# Altium PCB ld_harness.PcbDoc (part 1 of 3) (continued)
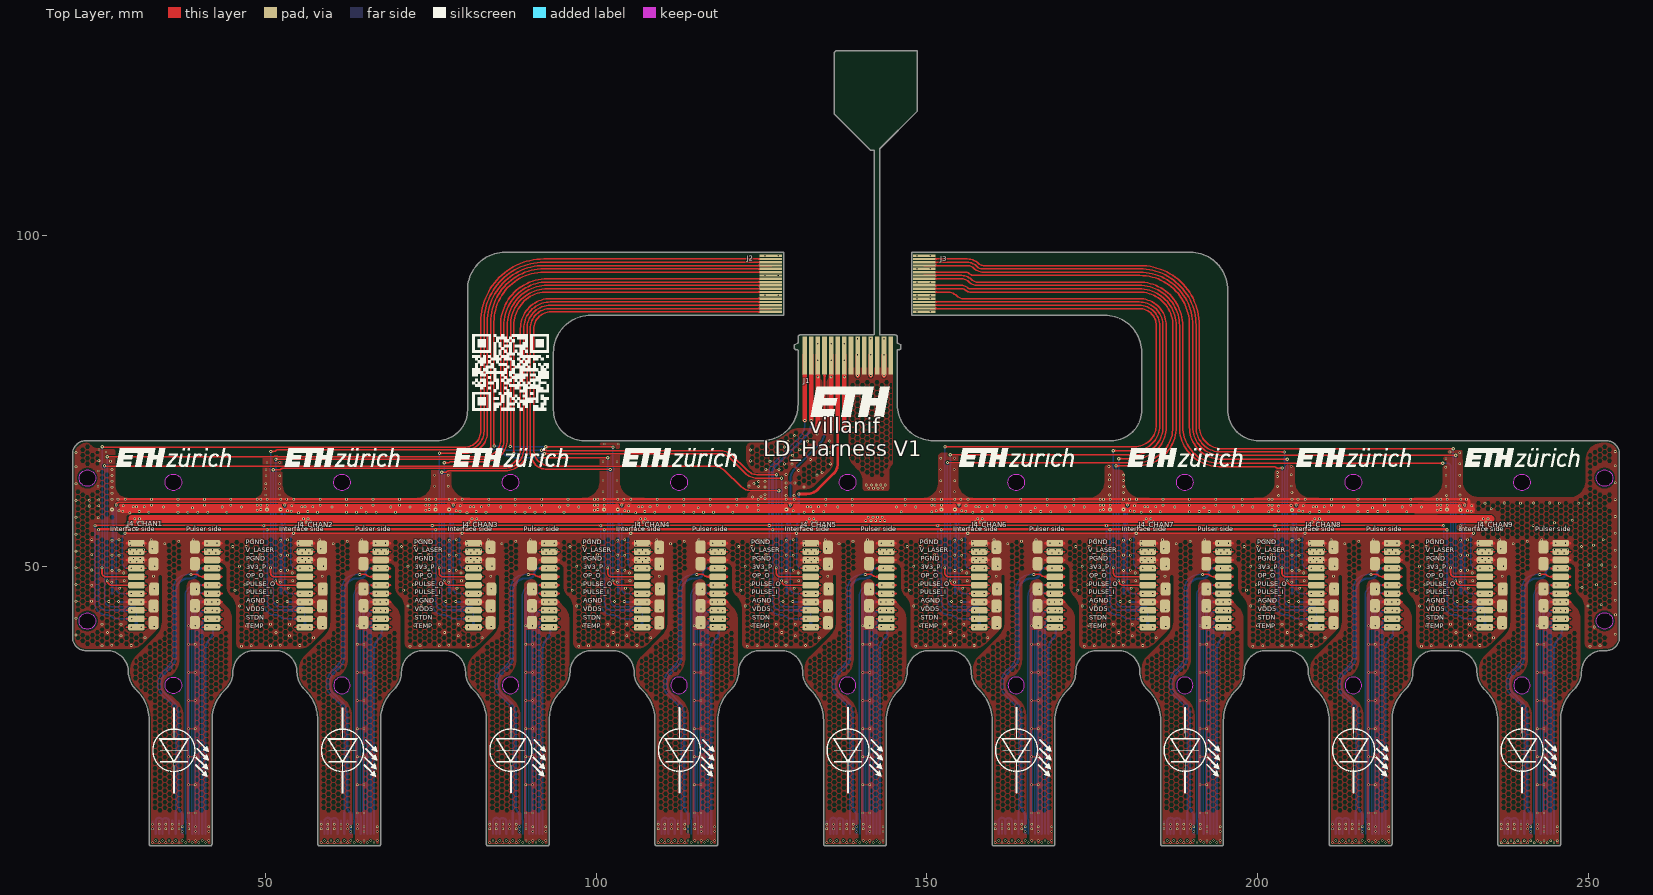
[diagram p0: Top Layer view]
## Nets (pads, with @x,y where several pads share a name; then routed paths per layer and width w, separated by ;. In a path a pad name is that pad's centre, name@x,y a point inside that pad or via, vN(x,y) a via of type N, cw(c..) or ccw(c..) an arc to the next point about the centre after c; other vN are vias at no path point)
3V3_P: J1.6 J4_CHAN1.4_G J4_CHAN2.4_G J4_CHAN3.4_G J4_CHAN4.4_G J4_CHAN5.4_G J4_CHAN6.4_G J4_CHAN7.4_G J4_CHAN8.4_G J4_CHAN9.4_G | length 307
  Top Layer w0.3: v4@28.65,55 v4(28.675,55.025) 28.7,55 54.15,55 v4(54.175,55.025) 54.2,55 79.65,55 v4(79.675,55.025) 79.7,55 105.15,55 v4(105.175,55.025) 105.2,55 130.65,55 ; 130.7,55 156.15,55 v4(156.175,55.025) 156.2,55 181.65,55 v4(181.675,55.025) 181.7,55 207.15,55 v4(207.175,55.025) 207.2,55 232.65,55 v4(232.675,55.025) v4@232.7,55
  Top Layer w0.4: v3(130.625,60.95) 131.748,60.95 ccw(c131.748,63.49) 133.544,61.694 135.875,64.025 ccw(c134.366,65.534) 136.5,65.534 136.5,70.675
  Top Layer w0.7: 136.5,70.675 J1.6@136.5,82
  Bottom Layer w0.25: v4(28.675,55.025) 28.647,54.997 ccw(c29.545,54.099) 28.275,54.099 28.275,50.546 ccw(c29.128,50.546) 29.075,49.695 ; 29.075,49.695 v2(29.65,49.695) ; v4(54.175,55.025) 54.147,54.997 ccw(c55.045,54.099) 53.775,54.099 53.775,50.546 ccw(c54.628,50.546) 54.575,49.695 ; 54.575,49.695 v2(55.15,49.695) ; v4(79.675,55.025) 79.647,54.997 ccw(c80.545,54.099) 79.275,54.099 79.275,50.546 ccw(c80.128,50.546) 80.075,49.695 ; 80.075,49.695 v2(80.65,49.695) ; v4(105.175,55.025) 105.147,54.997 ccw(c106.045,54.099) 104.775,54.099 104.775,50.546 ccw(c105.628,50.546) 105.575,49.695 ; 105.575,49.695 v2(106.15,49.695) ; v4(130.275,55.025) 130.275,56.127 cw(c130.873,56.127) 130.45,56.55 ccw(c130.028,56.972) 130.625,56.972 130.625,57.525 ; v4@130.359,54.942 130.275,54.857 130.275,52.878 130.275,50.546 ccw(c131.128,50.546) 131.075,49.695 ; 131.075,49.695 v2(131.65,49.695) ; v4(156.175,55.025) 156.147,54.997 ccw(c157.045,54.099) 155.775,54.099 155.775,50.546 ccw(c156.628,50.546) 156.575,49.695 ; 156.575,49.695 v2(157.15,49.695) ; v4(181.675,55.025) 181.647,54.997 ccw(c182.545,54.099) 181.275,54.099 181.275,50.546 ccw(c182.128,50.546) 182.075,49.695 ; 182.075,49.695 v2(182.65,49.695) ; v4(207.175,55.025) 207.147,54.997 ccw(c208.045,54.099) 206.775,54.099 206.775,50.546 ccw(c207.628,50.546) 207.575,49.695 ; 207.575,49.695 v2(208.15,49.695) ; v4(232.675,55.025) 232.647,54.997 ccw(c233.545,54.099) 232.275,54.099 232.275,50.546 ccw(c233.128,50.546) 233.075,49.695 ; 233.075,49.695 v2(233.65,49.695)
  Bottom Layer w0.4: 130.625,57.525 v3(130.625,60.95)
  Bottom Layer w0.5: v2@29.6,49.7 v2@31.2,49.7 ; v2@55.1,49.7 v2@56.7,49.7 ; v2@80.6,49.7 v2@82.2,49.7 ; v2@106.1,49.7 v2@107.7,49.7 ; v2@131.6,49.7 v2@133.15,49.7 ; v2@157.1,49.7 v2@158.7,49.7 ; v2@182.6,49.7 v2@184.2,49.7 ; v2@208.1,49.7 v2@209.7,49.7 ; v2@233.6,49.7 v2@235.2,49.7
  other v2: 31.15,49.705 56.65,49.705 82.15,49.705 107.65,49.705 133.15,49.705 158.65,49.705 184.15,49.705 209.65,49.705 235.15,49.705
_3V3_CHAN1_P: J4_CHAN1.4 J5_CHAN1.10 | length 47
  Bottom Layer w0.35: J5_CHAN1.10@37.35,9.5 37.35,12.271 ccw(c36.435,12.271) 37.082,12.918 cw(c37.801,13.637) 36.784,13.637 36.784,27.526 ccw(c33.953,27.526) 35.955,29.528 34.572,30.911 cw(c35.591,31.929) 34.15,31.929 34.15,32.278 cw(c36.436,32.278) 34.82,33.895 35.705,34.78 ccw(c34.089,36.397) 36.375,36.397 36.375,46.275 cw(c38.275,46.275) 38.275,48.175 38.725,48.175 ccw(c38.725,49.075) 39.625,49.075 cw(c40.25,49.075) 40.25,49.7 v1(41.4,49.7)
  Bottom Layer w0.5: v1(41.4,49.7) v1(42.85,49.7)
  other v2: 37.35,8.525 37.35,9.9 37.35,10.6
_3V3_CHAN2_P: J4_CHAN2.4 J5_CHAN2.10 | length 47
  Bottom Layer w0.35: J5_CHAN2.10@62.85,9.5 62.85,12.271 ccw(c61.935,12.271) 62.582,12.918 cw(c63.301,13.637) 62.284,13.637 62.284,27.526 ccw(c59.453,27.526) 61.455,29.528 60.072,30.911 cw(c61.091,31.929) 59.65,31.929 59.65,32.278 cw(c61.936,32.278) 60.32,33.895 61.205,34.78 ccw(c59.589,36.397) 61.875,36.397 61.875,46.275 cw(c63.775,46.275) 63.775,48.175 64.225,48.175 ccw(c64.225,49.075) 65.125,49.075 cw(c65.75,49.075) 65.75,49.7 v1(66.9,49.7)
  Bottom Layer w0.5: v1(66.9,49.7) v1(68.35,49.7)
  other v2: 62.85,8.525 62.85,9.9 62.85,10.6
_3V3_CHAN3_P: J4_CHAN3.4 J5_CHAN3.10 | length 47
  Bottom Layer w0.35: J5_CHAN3.10@88.35,9.5 88.35,12.271 ccw(c87.435,12.271) 88.082,12.918 cw(c88.801,13.637) 87.784,13.637 87.784,27.526 ccw(c84.953,27.526) 86.955,29.528 85.572,30.911 cw(c86.591,31.929) 85.15,31.929 85.15,32.278 cw(c87.436,32.278) 85.82,33.895 86.705,34.78 ccw(c85.089,36.397) 87.375,36.397 87.375,46.275 cw(c89.275,46.275) 89.275,48.175 89.725,48.175 ccw(c89.725,49.075) 90.625,49.075 cw(c91.25,49.075) 91.25,49.7 v1(92.4,49.7)
  Bottom Layer w0.5: v1(92.4,49.7) v1(93.85,49.7)
  other v2: 88.35,8.525 88.35,9.9 88.35,10.6
_3V3_CHAN4_P: J4_CHAN4.4 J5_CHAN4.10 | length 47
  Bottom Layer w0.35: J5_CHAN4.10@113.85,9.5 113.85,12.271 ccw(c112.935,12.271) 113.582,12.918 cw(c114.301,13.637) 113.284,13.637 113.284,27.526 ccw(c110.453,27.526) 112.455,29.528 111.072,30.911 cw(c112.091,31.929) 110.65,31.929 110.65,32.278 cw(c112.936,32.278) 111.32,33.895 112.205,34.78 ccw(c110.589,36.397) 112.875,36.397 112.875,46.275 cw(c114.775,46.275) 114.775,48.175 115.225,48.175 ccw(c115.225,49.075) 116.125,49.075 cw(c116.75,49.075) 116.75,49.7 v1(117.9,49.7)
  Bottom Layer w0.5: v1(117.9,49.7) v1(119.35,49.7)
  other v2: 113.85,8.525 113.85,9.9 113.85,10.6
_3V3_CHAN5_P: J4_CHAN5.4 J5_CHAN5.10 | length 47
  Bottom Layer w0.35: 137.955,29.528 cw(c135.953,27.526) 138.784,27.526 138.784,13.637 ccw(c139.801,13.637) 139.082,12.918 cw(c138.435,12.271) 139.35,12.271 J5_CHAN5.10@139.35,9.5 ; 137.955,29.528 136.572,30.911 cw(c137.591,31.929) 136.15,31.929 136.15,32.278 cw(c138.436,32.278) 136.82,33.895 137.705,34.78 ccw(c136.089,36.397) 138.375,36.397 138.375,46.275 cw(c140.275,46.275) 140.275,48.175 140.725,48.175 ccw(c140.725,49.075) 141.625,49.075 cw(c142.25,49.075) 142.25,49.7 v1(143.4,49.7)
  Bottom Layer w0.5: v1(143.4,49.7) v1(144.85,49.7)
  other v2: 139.35,8.525 139.35,9.9 139.35,10.6
_3V3_CHAN6_P: J4_CHAN6.4 J5_CHAN6.10 | length 47
  Bottom Layer w0.35: J5_CHAN6.10@164.85,9.5 164.85,12.271 ccw(c163.935,12.271) 164.582,12.918 cw(c165.301,13.637) 164.284,13.637 164.284,27.526 ccw(c161.453,27.526) 163.455,29.528 162.072,30.911 cw(c163.091,31.929) 161.65,31.929 161.65,32.278 cw(c163.936,32.278) 162.32,33.895 163.205,34.78 ccw(c161.589,36.397) 163.875,36.397 163.875,46.275 cw(c165.775,46.275) 165.775,48.175 166.225,48.175 ccw(c166.225,49.075) 167.125,49.075 cw(c167.75,49.075) 167.75,49.7 v1(168.9,49.7)
  Bottom Layer w0.5: v1(168.9,49.7) v1(170.35,49.7)
  other v2: 164.85,8.525 164.85,9.9 164.85,10.6
_3V3_CHAN7_P: J4_CHAN7.4 J5_CHAN7.10 | length 47
  Bottom Layer w0.35: J5_CHAN7.10@190.35,9.5 190.35,12.271 ccw(c189.435,12.271) 190.082,12.918 cw(c190.801,13.637) 189.784,13.637 189.784,27.526 ccw(c186.953,27.526) 188.955,29.528 187.572,30.911 cw(c188.591,31.929) 187.15,31.929 187.15,32.278 cw(c189.436,32.278) 187.82,33.895 188.705,34.78 ccw(c187.089,36.397) 189.375,36.397 189.375,46.275 cw(c191.275,46.275) 191.275,48.175 191.725,48.175 ccw(c191.725,49.075) 192.625,49.075 cw(c193.25,49.075) 193.25,49.7 v1(194.4,49.7)
  Bottom Layer w0.5: v1(194.4,49.7) v1(195.85,49.7)
  other v2: 190.35,8.525 190.35,9.9 190.35,10.6
_3V3_CHAN8_P: J4_CHAN8.4 J5_CHAN8.10 | length 47
  Bottom Layer w0.35: J5_CHAN8.10@215.85,9.5 215.85,12.271 ccw(c214.935,12.271) 215.582,12.918 cw(c216.301,13.637) 215.284,13.637 215.284,27.526 ccw(c212.453,27.526) 214.455,29.528 213.072,30.911 cw(c214.091,31.929) 212.65,31.929 212.65,32.278 cw(c214.936,32.278) 213.32,33.895 214.205,34.78 ccw(c212.589,36.397) 214.875,36.397 214.875,46.275 cw(c216.775,46.275) 216.775,48.175 217.225,48.175 ccw(c217.225,49.075) 218.125,49.075 cw(c218.75,49.075) 218.75,49.7 v1(219.9,49.7)
  Bottom Layer w0.5: v1(219.9,49.7) v1(221.35,49.7)
  other v2: 215.85,8.525 215.85,9.9 215.85,10.6
_3V3_CHAN9_P: J4_CHAN9.4 J5_CHAN9.10 | length 47
  Bottom Layer w0.35: J5_CHAN9.10@241.35,9.5 241.35,12.271 ccw(c240.435,12.271) 241.082,12.918 cw(c241.801,13.637) 240.784,13.637 240.784,27.526 ccw(c237.953,27.526) 239.955,29.528 238.572,30.911 cw(c239.591,31.929) 238.15,31.929 238.15,32.278 cw(c240.436,32.278) 238.82,33.895 239.705,34.78 ccw(c238.089,36.397) 240.375,36.397 240.375,46.275 cw(c242.275,46.275) 242.275,48.175 242.725,48.175 ccw(c242.725,49.075) 243.625,49.075 cw(c244.25,49.075) 244.25,49.7 v1(245.4,49.7)
  Bottom Layer w0.5: v1(245.4,49.7) v1(246.85,49.7)
  other v2: 241.35,8.5 241.35,9.9 241.35,10.6
_OP_O_CHAN1: J4_CHAN1.5 J5_CHAN1.8 | length 44.4
  Top Layer w0.2: v1(38.675,48.775) 39.525,48.775 cw(c39.525,48.473) 39.738,48.687 39.753,48.672 ccw(c40.35,49.27) 40.35,48.425
  Bottom Layer w0.2: 35.936,36.175 cw(c33.689,36.594) 35.388,35.064 cw(c35.24,35.199) 35.381,35.057 34.52,34.196 ccw(c36.436,32.278) 34.432,34.104 ccw(c36.436,32.278) 34.053,33.571 33.945,33.372 ccw(c35.954,32.282) 33.668,32.282 33.668,31.912 ccw(c35.33,31.912) 33.68,31.714 ccw(c33.879,31.738) 33.681,31.709 ccw(c35.522,31.984) 33.952,30.984 ccw(c34.12,31.093) 33.954,30.982 33.955,30.98 ccw(c35.33,31.912) 34.155,30.738 ccw(c35.591,31.929) 34.273,30.608 35.652,29.229 cw(c33.953,27.526) 36.349,27.742 cw(c36.15,27.725) 36.35,27.726 36.35,12.772 ; 35.937,36.176 ccw(c35.74,36.211) 35.938,36.188 ccw(c34.089,36.397) 35.95,36.397 35.95,46.44 cw(c38.285,46.44) 38.285,48.775 v1(38.675,48.775)
  Bottom Layer w0.35: J5_CHAN1.8@36.35,9.5 36.35,12.772
  other v2: 36.35,8.525
_OP_O_CHAN2: J4_CHAN2.5 J5_CHAN2.8 | length 44.4
  Top Layer w0.2: v1(64.175,48.775) 65.025,48.775 cw(c65.025,48.473) 65.238,48.687 65.253,48.672 ccw(c65.85,49.27) 65.85,48.425
  Bottom Layer w0.2: 59.18,31.714 cw(c60.83,31.912) 59.168,31.912 59.168,32.282 cw(c61.454,32.282) 59.445,33.372 59.553,33.571 cw(c61.936,32.278) 59.932,34.104 cw(c61.936,32.278) 60.02,34.196 60.881,35.057 ccw(c60.74,35.199) 60.888,35.064 ccw(c59.189,36.594) 61.436,36.175 ; 59.18,31.713 ccw(c59.379,31.738) 59.181,31.709 ccw(c61.022,31.984) 59.452,30.984 ccw(c59.62,31.093) 59.454,30.982 59.455,30.98 ccw(c60.83,31.912) 59.655,30.738 ccw(c61.091,31.929) 59.773,30.608 61.152,29.229 cw(c59.453,27.526) 61.849,27.742 cw(c61.65,27.725) 61.85,27.726 61.85,12.772 ; 61.437,36.176 ccw(c61.24,36.211) 61.438,36.188 ccw(c59.589,36.397) 61.45,36.397 61.45,46.44 cw(c63.785,46.44) 63.785,48.775 v1(64.175,48.775)
  Bottom Layer w0.35: J5_CHAN2.8@61.85,9.5 61.85,12.772
  other v2: 61.85,8.525
_OP_O_CHAN3: J4_CHAN3.5 J5_CHAN3.8 | length 44.4
  Top Layer w0.2: v1(89.675,48.775) 90.525,48.775 cw(c90.525,48.473) 90.738,48.687 90.753,48.672 ccw(c91.35,49.27) 91.35,48.425
  Bottom Layer w0.2: 86.936,36.175 cw(c84.689,36.594) 86.388,35.064 cw(c86.24,35.199) 86.381,35.057 85.52,34.196 ccw(c87.436,32.278) 85.432,34.104 ccw(c87.436,32.278) 85.053,33.571 84.945,33.372 ccw(c86.954,32.282) 84.668,32.282 84.668,31.912 ccw(c86.33,31.912) 84.68,31.714 ccw(c84.879,31.738) 84.681,31.709 ccw(c86.522,31.984) 84.952,30.984 ccw(c85.12,31.093) 84.954,30.982 84.955,30.98 ccw(c86.33,31.912) 85.155,30.738 ccw(c86.591,31.929) 85.273,30.608 86.652,29.229 cw(c84.953,27.526) 87.349,27.742 cw(c87.15,27.725) 87.35,27.726 87.35,12.772 ; 86.937,36.176 ccw(c86.74,36.211) 86.938,36.188 ccw(c85.089,36.397) 86.95,36.397 86.95,46.44 cw(c89.285,46.44) 89.285,48.775 v1(89.675,48.775)
  Bottom Layer w0.35: J5_CHAN3.8@87.35,9.5 87.35,12.772
  other v2: 87.35,8.525
_OP_O_CHAN4: J4_CHAN4.5 J5_CHAN4.8 | length 44.4
  Top Layer w0.2: v1(115.175,48.775) 116.025,48.775 cw(c116.025,48.473) 116.238,48.687 116.253,48.672 ccw(c116.85,49.27) 116.85,48.425
  Bottom Layer w0.2: 112.436,36.175 cw(c110.189,36.594) 111.888,35.064 cw(c111.74,35.199) 111.881,35.057 111.02,34.196 ccw(c112.936,32.278) 110.932,34.104 ccw(c112.936,32.278) 110.553,33.571 110.445,33.372 ccw(c112.454,32.282) 110.168,32.282 110.168,31.912 ccw(c111.83,31.912) 110.18,31.714 ccw(c110.379,31.738) 110.181,31.709 ccw(c112.022,31.984) 110.452,30.984 ccw(c110.62,31.093) 110.454,30.982 110.455,30.98 ccw(c111.83,31.912) 110.655,30.738 ccw(c112.091,31.929) 110.773,30.608 112.152,29.229 cw(c110.453,27.526) 112.849,27.742 cw(c112.65,27.725) 112.85,27.726 112.85,12.772 ; 112.437,36.176 ccw(c112.24,36.211) 112.438,36.188 ccw(c110.589,36.397) 112.45,36.397 112.45,46.44 cw(c114.785,46.44) 114.785,48.775 v1(115.175,48.775)
  Bottom Layer w0.35: J5_CHAN4.8@112.85,9.5 112.85,12.772
  other v2: 112.85,8.525
_OP_O_CHAN5: J4_CHAN5.5 J5_CHAN5.8 | length 44.4
  Top Layer w0.2: v1(140.675,48.775) 141.525,48.775 cw(c141.525,48.473) 141.738,48.687 141.753,48.672 ccw(c142.35,49.27) 142.35,48.425
  Bottom Layer w0.2: 137.936,36.175 cw(c135.689,36.594) 137.388,35.064 cw(c137.24,35.199) 137.381,35.057 136.52,34.196 ccw(c138.436,32.278) 136.432,34.104 ccw(c138.436,32.278) 136.053,33.571 135.945,33.372 ccw(c137.954,32.282) 135.668,32.282 135.668,31.912 ccw(c137.33,31.912) 135.68,31.714 ccw(c135.879,31.738) 135.681,31.709 ccw(c137.522,31.984) 135.952,30.984 ccw(c136.12,31.093) 135.954,30.982 135.955,30.98 ccw(c137.33,31.912) 136.155,30.738 ccw(c137.591,31.929) 136.273,30.608 137.652,29.229 cw(c135.953,27.526) 138.349,27.742 cw(c138.15,27.725) 138.35,27.726 138.35,12.772 ; 137.937,36.176 ccw(c137.74,36.211) 137.938,36.188 ccw(c136.089,36.397) 137.95,36.397 137.95,46.44 cw(c140.285,46.44) 140.285,48.775 v1(140.675,48.775)
  Bottom Layer w0.35: J5_CHAN5.8@138.35,9.5 138.35,12.772
  other v2: 138.35,8.525
_OP_O_CHAN6: J4_CHAN6.5 J5_CHAN6.8 | length 44.4
  Top Layer w0.2: v1(166.175,48.775) 167.025,48.775 cw(c167.025,48.473) 167.238,48.687 167.253,48.672 ccw(c167.85,49.27) 167.85,48.425
  Bottom Layer w0.2: 163.436,36.175 cw(c161.189,36.594) 162.888,35.064 cw(c162.74,35.199) 162.881,35.057 162.02,34.196 ccw(c163.936,32.278) 161.932,34.104 ccw(c163.936,32.278) 161.553,33.571 161.445,33.372 ccw(c163.454,32.282) 161.168,32.282 161.168,31.912 ccw(c162.83,31.912) 161.18,31.714 ccw(c161.379,31.738) 161.181,31.709 ccw(c163.022,31.984) 161.452,30.984 ccw(c161.62,31.093) 161.454,30.982 161.455,30.98 ccw(c162.83,31.912) 161.655,30.738 ccw(c163.091,31.929) 161.773,30.608 163.152,29.229 cw(c161.453,27.526) 163.849,27.742 cw(c163.65,27.725) 163.85,27.726 163.85,12.772 ; 163.437,36.176 ccw(c163.24,36.211) 163.438,36.188 ccw(c161.589,36.397) 163.45,36.397 163.45,46.44 cw(c165.785,46.44) 165.785,48.775 v1(166.175,48.775)
  Bottom Layer w0.35: J5_CHAN6.8@163.85,9.5 163.85,12.772
  other v2: 163.85,8.525
_OP_O_CHAN7: J4_CHAN7.5 J5_CHAN7.8 | length 44.4
  Top Layer w0.2: v1(191.675,48.775) 192.525,48.775 cw(c192.525,48.473) 192.738,48.687 192.753,48.672 ccw(c193.35,49.27) 193.35,48.425
  Bottom Layer w0.2: 188.936,36.175 cw(c186.689,36.594) 188.388,35.064 cw(c188.24,35.199) 188.381,35.057 187.52,34.196 ccw(c189.436,32.278) 187.432,34.104 ccw(c189.436,32.278) 187.053,33.571 186.945,33.372 ccw(c188.954,32.282) 186.668,32.282 186.668,31.912 ccw(c188.33,31.912) 186.68,31.714 ccw(c186.879,31.738) 186.681,31.709 ccw(c188.522,31.984) 186.952,30.984 ccw(c187.12,31.093) 186.954,30.982 186.955,30.98 ccw(c188.33,31.912) 187.155,30.738 ccw(c188.591,31.929) 187.273,30.608 188.652,29.229 cw(c186.953,27.526) 189.349,27.742 cw(c189.15,27.725) 189.35,27.726 189.35,12.772 ; 188.937,36.176 ccw(c188.74,36.211) 188.938,36.188 ccw(c187.089,36.397) 188.95,36.397 188.95,46.44 cw(c191.285,46.44) 191.285,48.775 v1(191.675,48.775)
  Bottom Layer w0.35: J5_CHAN7.8@189.35,9.5 189.35,12.772
  other v2: 189.35,8.525
_OP_O_CHAN8: J4_CHAN8.5 J5_CHAN8.8 | length 44.4
  Top Layer w0.2: v1(217.175,48.775) 218.025,48.775 cw(c218.025,48.473) 218.238,48.687 218.253,48.672 ccw(c218.85,49.27) 218.85,48.425
  Bottom Layer w0.2: 214.436,36.175 cw(c212.189,36.594) 213.888,35.064 cw(c213.74,35.199) 213.881,35.057 213.02,34.196 ccw(c214.936,32.278) 212.932,34.104 ccw(c214.936,32.278) 212.553,33.571 212.445,33.372 ccw(c214.454,32.282) 212.168,32.282 212.168,31.912 ccw(c213.83,31.912) 212.18,31.714 ccw(c212.379,31.738) 212.181,31.709 ccw(c214.022,31.984) 212.452,30.984 ccw(c212.62,31.093) 212.454,30.982 212.455,30.98 ccw(c213.83,31.912) 212.655,30.738 ccw(c214.091,31.929) 212.773,30.608 214.152,29.229 cw(c212.453,27.526) 214.849,27.742 cw(c214.65,27.725) 214.85,27.726 214.85,12.772 ; 214.437,36.176 ccw(c214.24,36.211) 214.438,36.188 ccw(c212.589,36.397) 214.45,36.397 214.45,46.44 cw(c216.785,46.44) 216.785,48.775 v1(217.175,48.775)
  Bottom Layer w0.35: J5_CHAN8.8@214.85,9.5 214.85,12.772
  other v2: 214.85,8.525
_OP_O_CHAN9: J4_CHAN9.5 J5_CHAN9.8 | length 44.4
  Top Layer w0.2: v1(242.675,48.775) 243.525,48.775 cw(c243.525,48.473) 243.738,48.687 243.753,48.672 ccw(c244.35,49.27) 244.35,48.425
  Bottom Layer w0.2: 239.936,36.175 cw(c237.689,36.594) 239.388,35.064 cw(c239.24,35.199) 239.381,35.057 238.52,34.196 ccw(c240.436,32.278) 238.432,34.104 ccw(c240.436,32.278) 238.053,33.571 237.945,33.372 ccw(c239.954,32.282) 237.668,32.282 237.668,31.912 ccw(c239.33,31.912) 237.68,31.714 ccw(c237.879,31.738) 237.681,31.709 ccw(c239.522,31.984) 237.952,30.984 ccw(c238.12,31.093) 237.954,30.982 237.955,30.98 ccw(c239.33,31.912) 238.155,30.738 ccw(c239.591,31.929) 238.273,30.608 239.652,29.229 cw(c237.953,27.526) 240.349,27.742 cw(c240.15,27.725) 240.35,27.726 240.35,12.772 ; 239.937,36.176 ccw(c239.74,36.211) 239.938,36.188 ccw(c238.089,36.397) 239.95,36.397 239.95,46.44 cw(c242.285,46.44) 242.285,48.775 v1(242.675,48.775)
  Bottom Layer w0.35: J5_CHAN9.8@240.35,9.5 240.35,12.772
  other v2: 240.35,8.5
_P_IN_CHAN1: J4_CHAN1.7 J5_CHAN1.13 | length 40
  Bottom Layer w0.2: 38.775,12.2 38.775,44.975 cw(c39.725,44.975) 39.725,45.925 v1(41.175,45.925)
  Bottom Layer w0.35: J5_CHAN1.13@38.85,9.5 38.85,12.2
  Bottom Layer w0.5: v1(41.175,45.925) v1(42.8,45.925)
  other v2: 38.85,8.225
_P_IN_CHAN2: J4_CHAN2.7 J5_CHAN2.13 | length 40
  Bottom Layer w0.2: 64.275,12.2 64.275,44.975 cw(c65.225,44.975) 65.225,45.925 v1(66.675,45.925)
  Bottom Layer w0.35: J5_CHAN2.13@64.35,9.5 64.35,12.2
  Bottom Layer w0.5: v1(66.675,45.925) v1(68.3,45.925)
  other v2: 64.35,8.225
_P_IN_CHAN3: J4_CHAN3.7 J5_CHAN3.13 | length 40
  Bottom Layer w0.2: 89.775,12.2 89.775,44.975 cw(c90.725,44.975) 90.725,45.925 v1(92.175,45.925)
  Bottom Layer w0.35: J5_CHAN3.13@89.85,9.5 89.85,12.2
  Bottom Layer w0.5: v1(92.175,45.925) v1(93.8,45.925)
  other v2: 89.85,8.225
_P_IN_CHAN4: J4_CHAN4.7 J5_CHAN4.13 | length 40
  Bottom Layer w0.2: 115.275,12.2 115.275,44.975 cw(c116.225,44.975) 116.225,45.925 v1(117.675,45.925)
  Bottom Layer w0.35: J5_CHAN4.13@115.35,9.5 115.35,12.2
  Bottom Layer w0.5: v1(117.675,45.925) v1(119.3,45.925)
  other v2: 115.35,8.225
_P_IN_CHAN5: J4_CHAN5.7 J5_CHAN5.13 | length 40
  Bottom Layer w0.2: 140.775,12.2 140.775,44.975 cw(c141.725,44.975) 141.725,45.925 v1(143.175,45.925)
  Bottom Layer w0.35: J5_CHAN5.13@140.85,9.5 140.85,12.2
  Bottom Layer w0.5: v1(143.175,45.925) v1(144.8,45.925)
  other v2: 140.85,8.225
_P_IN_CHAN6: J4_CHAN6.7 J5_CHAN6.13 | length 40
  Bottom Layer w0.2: 166.275,12.2 166.275,44.975 cw(c167.225,44.975) 167.225,45.925 v1(168.675,45.925)
  Bottom Layer w0.35: J5_CHAN6.13@166.35,9.5 166.35,12.2
  Bottom Layer w0.5: v1(168.675,45.925) v1(170.3,45.925)
  other v2: 166.35,8.225
_P_IN_CHAN7: J4_CHAN7.7 J5_CHAN7.13 | length 40
  Bottom Layer w0.2: 191.775,12.2 191.775,44.975 cw(c192.725,44.975) 192.725,45.925 v1(194.175,45.925)
  Bottom Layer w0.35: J5_CHAN7.13@191.85,9.5 191.85,12.2
  Bottom Layer w0.5: v1(194.175,45.925) v1(195.8,45.925)
  other v2: 191.85,8.225
_P_IN_CHAN8: J4_CHAN8.7 J5_CHAN8.13 | length 40
  Bottom Layer w0.2: 217.275,12.2 217.275,44.975 cw(c218.225,44.975) 218.225,45.925 v1(219.675,45.925)
  Bottom Layer w0.35: J5_CHAN8.13@217.35,9.5 217.35,12.2
  Bottom Layer w0.5: v1(219.675,45.925) v1(221.3,45.925)
  other v2: 217.35,8.225
_P_IN_CHAN9: J4_CHAN9.7 J5_CHAN9.13 | length 40
  Bottom Layer w0.2: 242.775,12.2 242.775,44.975 cw(c243.725,44.975) 243.725,45.925 v1(245.175,45.925)
  Bottom Layer w0.35: J5_CHAN9.13@242.85,9.5 242.85,12.2
  Bottom Layer w0.5: v1(245.175,45.925) v1(246.8,45.925)
  other v2: 242.85,8.2
_P_OUT_CHAN1: J4_CHAN1.6 J5_CHAN1.11 | length 42
  Bottom Layer w0.2: J5_CHAN1.11@37.85,9.5 37.85,11.579 ccw(c37.679,11.579) 37.8,11.7 cw(c37.86,11.76) 37.775,11.76 37.775,12 37.775,45.485 cw(c39.465,45.485) 39.465,47.175 v1(41.15,47.175)
  Bottom Layer w0.5: v1(41.15,47.175) v1(42.85,47.175)
  other v2: 37.85,8.225
_P_OUT_CHAN2: J4_CHAN2.6 J5_CHAN2.11 | length 42
  Bottom Layer w0.2: J5_CHAN2.11@63.35,9.5 63.35,11.579 ccw(c63.179,11.579) 63.3,11.7 cw(c63.36,11.76) 63.275,11.76 63.275,12 63.275,45.485 cw(c64.965,45.485) 64.965,47.175 v1(66.65,47.175)
  Bottom Layer w0.5: v1(66.65,47.175) v1(68.35,47.175)
  other v2: 63.35,8.225
_P_OUT_CHAN3: J4_CHAN3.6 J5_CHAN3.11 | length 42
  Bottom Layer w0.2: J5_CHAN3.11@88.85,9.5 88.85,11.579 ccw(c88.679,11.579) 88.8,11.7 cw(c88.86,11.76) 88.775,11.76 88.775,12 88.775,45.485 cw(c90.465,45.485) 90.465,47.175 v1(92.15,47.175)
  Bottom Layer w0.5: v1(92.15,47.175) v1(93.85,47.175)
  other v2: 88.85,8.225
_P_OUT_CHAN4: J4_CHAN4.6 J5_CHAN4.11 | length 42
  Bottom Layer w0.2: J5_CHAN4.11@114.35,9.5 114.35,11.579 ccw(c114.179,11.579) 114.3,11.7 cw(c114.36,11.76) 114.275,11.76 114.275,12 114.275,45.485 cw(c115.965,45.485) 115.965,47.175 v1(117.65,47.175)
  Bottom Layer w0.5: v1(117.65,47.175) v1(119.35,47.175)
  other v2: 114.35,8.225
_P_OUT_CHAN5: J4_CHAN5.6 J5_CHAN5.11 | length 42
  Bottom Layer w0.2: J5_CHAN5.11@139.85,9.5 139.85,11.579 ccw(c139.679,11.579) 139.8,11.7 cw(c139.86,11.76) 139.775,11.76 139.775,12 139.775,45.485 cw(c141.465,45.485) 141.465,47.175 v1(143.15,47.175)
  Bottom Layer w0.5: v1(143.15,47.175) v1(144.85,47.175)
  other v2: 139.85,8.225
_P_OUT_CHAN6: J4_CHAN6.6 J5_CHAN6.11 | length 42
  Bottom Layer w0.2: J5_CHAN6.11@165.35,9.5 165.35,11.579 ccw(c165.179,11.579) 165.3,11.7 cw(c165.36,11.76) 165.275,11.76 165.275,12 165.275,45.485 cw(c166.965,45.485) 166.965,47.175 v1(168.65,47.175)
  Bottom Layer w0.5: v1(168.65,47.175) v1(170.35,47.175)
  other v2: 165.35,8.225
_P_OUT_CHAN7: J4_CHAN7.6 J5_CHAN7.11 | length 42
  Bottom Layer w0.2: J5_CHAN7.11@190.85,9.5 190.85,11.579 ccw(c190.679,11.579) 190.8,11.7 cw(c190.86,11.76) 190.775,11.76 190.775,12 190.775,45.485 cw(c192.465,45.485) 192.465,47.175 v1(194.15,47.175)
  Bottom Layer w0.5: v1(194.15,47.175) v1(195.85,47.175)
  other v2: 190.85,8.225
_P_OUT_CHAN8: J4_CHAN8.6 J5_CHAN8.11 | length 42
  Bottom Layer w0.2: J5_CHAN8.11@216.35,9.5 216.35,11.579 ccw(c216.179,11.579) 216.3,11.7 cw(c216.36,11.76) 216.275,11.76 216.275,12 216.275,45.485 cw(c217.965,45.485) 217.965,47.175 v1(219.65,47.175)
  Bottom Layer w0.5: v1(219.65,47.175) v1(221.35,47.175)
  other v2: 216.35,8.225
_P_OUT_CHAN9: J4_CHAN9.6 J5_CHAN9.11 | length 42
  Bottom Layer w0.2: J5_CHAN9.11@241.85,9.5 241.85,11.579 ccw(c241.679,11.579) 241.8,11.7 cw(c241.86,11.76) 241.775,11.76 241.775,12 241.775,45.485 cw(c243.465,45.485) 243.465,47.175 v1(245.15,47.175)
  Bottom Layer w0.5: v1(245.15,47.175) v1(246.85,47.175)
  other v2: 241.85,8.2
_STDN_CHAN1: J4_CHAN1.10 J5_CHAN1.16 | length 34.7
  Bottom Layer w0.35: J5_CHAN1.16@40.35,9.5 40.35,11.592 40.35,13.267 40.35,41.35 cw(c41,41.35) v1@41,42
  Bottom Layer w0.5: v1@41,42 42.838,42
  other v1: 41.2,42 42.6,42
  other v2: 40.35,8.525
_STDN_CHAN2: J4_CHAN2.10 J5_CHAN2.16 | length 34.7
  Bottom Layer w0.35: J5_CHAN2.16@65.85,9.5 65.85,11.592 65.85,13.267 65.85,41.35 cw(c66.5,41.35) v1@66.5,42
  Bottom Layer w0.5: v1@66.5,42 68.338,42
  other v1: 66.7,42 68.1,42
  other v2: 65.85,8.525
_STDN_CHAN3: J4_CHAN3.10 J5_CHAN3.16 | length 34.7
  Bottom Layer w0.35: J5_CHAN3.16@91.35,9.5 91.35,11.592 91.35,13.267 91.35,41.35 cw(c92,41.35) 92,42
  Bottom Layer w0.5: 92,42 93.838,42
  other v1: 92.2,42 93.6,42
  other v2: 91.35,8.525
_STDN_CHAN4: J4_CHAN4.10 J5_CHAN4.16 | length 34.7
  Bottom Layer w0.35: J5_CHAN4.16@116.85,9.5 116.85,11.592 116.85,13.267 116.85,41.35 cw(c117.5,41.35) 117.5,42
  Bottom Layer w0.5: 117.5,42 119.338,42
  other v1: 117.7,42 119.1,42
  other v2: 116.85,8.525
_STDN_CHAN5: J4_CHAN5.10 J5_CHAN5.16 | length 34.7
  Bottom Layer w0.35: J5_CHAN5.16@142.35,9.5 142.35,11.592 142.35,13.267 142.35,41.35 cw(c143,41.35) v1@143,42
  Bottom Layer w0.5: v1@143,42 144.838,42
  other v1: 143.2,42 144.6,42
  other v2: 142.35,8.525
_STDN_CHAN6: J4_CHAN6.10 J5_CHAN6.16 | length 34.7
  Bottom Layer w0.35: J5_CHAN6.16@167.85,9.5 167.85,11.592 167.85,13.267 167.85,41.35 cw(c168.5,41.35) v1@168.5,42
  Bottom Layer w0.5: v1@168.5,42 170.338,42
  other v1: 168.7,42 170.1,42
  other v2: 167.85,8.525
_STDN_CHAN7: J4_CHAN7.10 J5_CHAN7.16 | length 34.7
  Bottom Layer w0.35: J5_CHAN7.16@193.35,9.5 193.35,11.592 193.35,13.267 193.35,41.35 cw(c194,41.35) 194,42
  Bottom Layer w0.5: 194,42 195.838,42
  other v1: 194.2,42 195.6,42
  other v2: 193.35,8.525
_STDN_CHAN8: J4_CHAN8.10 J5_CHAN8.16 | length 34.7
  Bottom Layer w0.35: J5_CHAN8.16@218.85,9.5 218.85,11.592 218.85,13.267 218.85,41.35 cw(c219.5,41.35) 219.5,42
  Bottom Layer w0.5: 219.5,42 221.338,42
  other v1: 219.7,42 221.1,42
  other v2: 218.85,8.525
_STDN_CHAN9: J4_CHAN9.10 J5_CHAN9.16 | length 34.7
  Bottom Layer w0.35: J5_CHAN9.16@244.35,9.5 244.35,11.592 244.35,13.267 244.35,41.35 cw(c245,41.35) v1@245,42
  Bottom Layer w0.5: v1@245,42 246.838,42
  other v1: 245.2,42 246.6,42
  other v2: 244.35,8.5